# Altium PCB PCB.PcbDoc (part 2 of 3)
Units mil, origin at the board's own origin, x right, y up, seen from the top; angles counter-clockwise.
Board outline 2834.89 x 3149.61 mil, 4 copper layers (Top Layer, PWR, GND, Bottom Layer), stack 61.811 mil thick; 169 components, 190 nets, 857 pads, 254 vias.
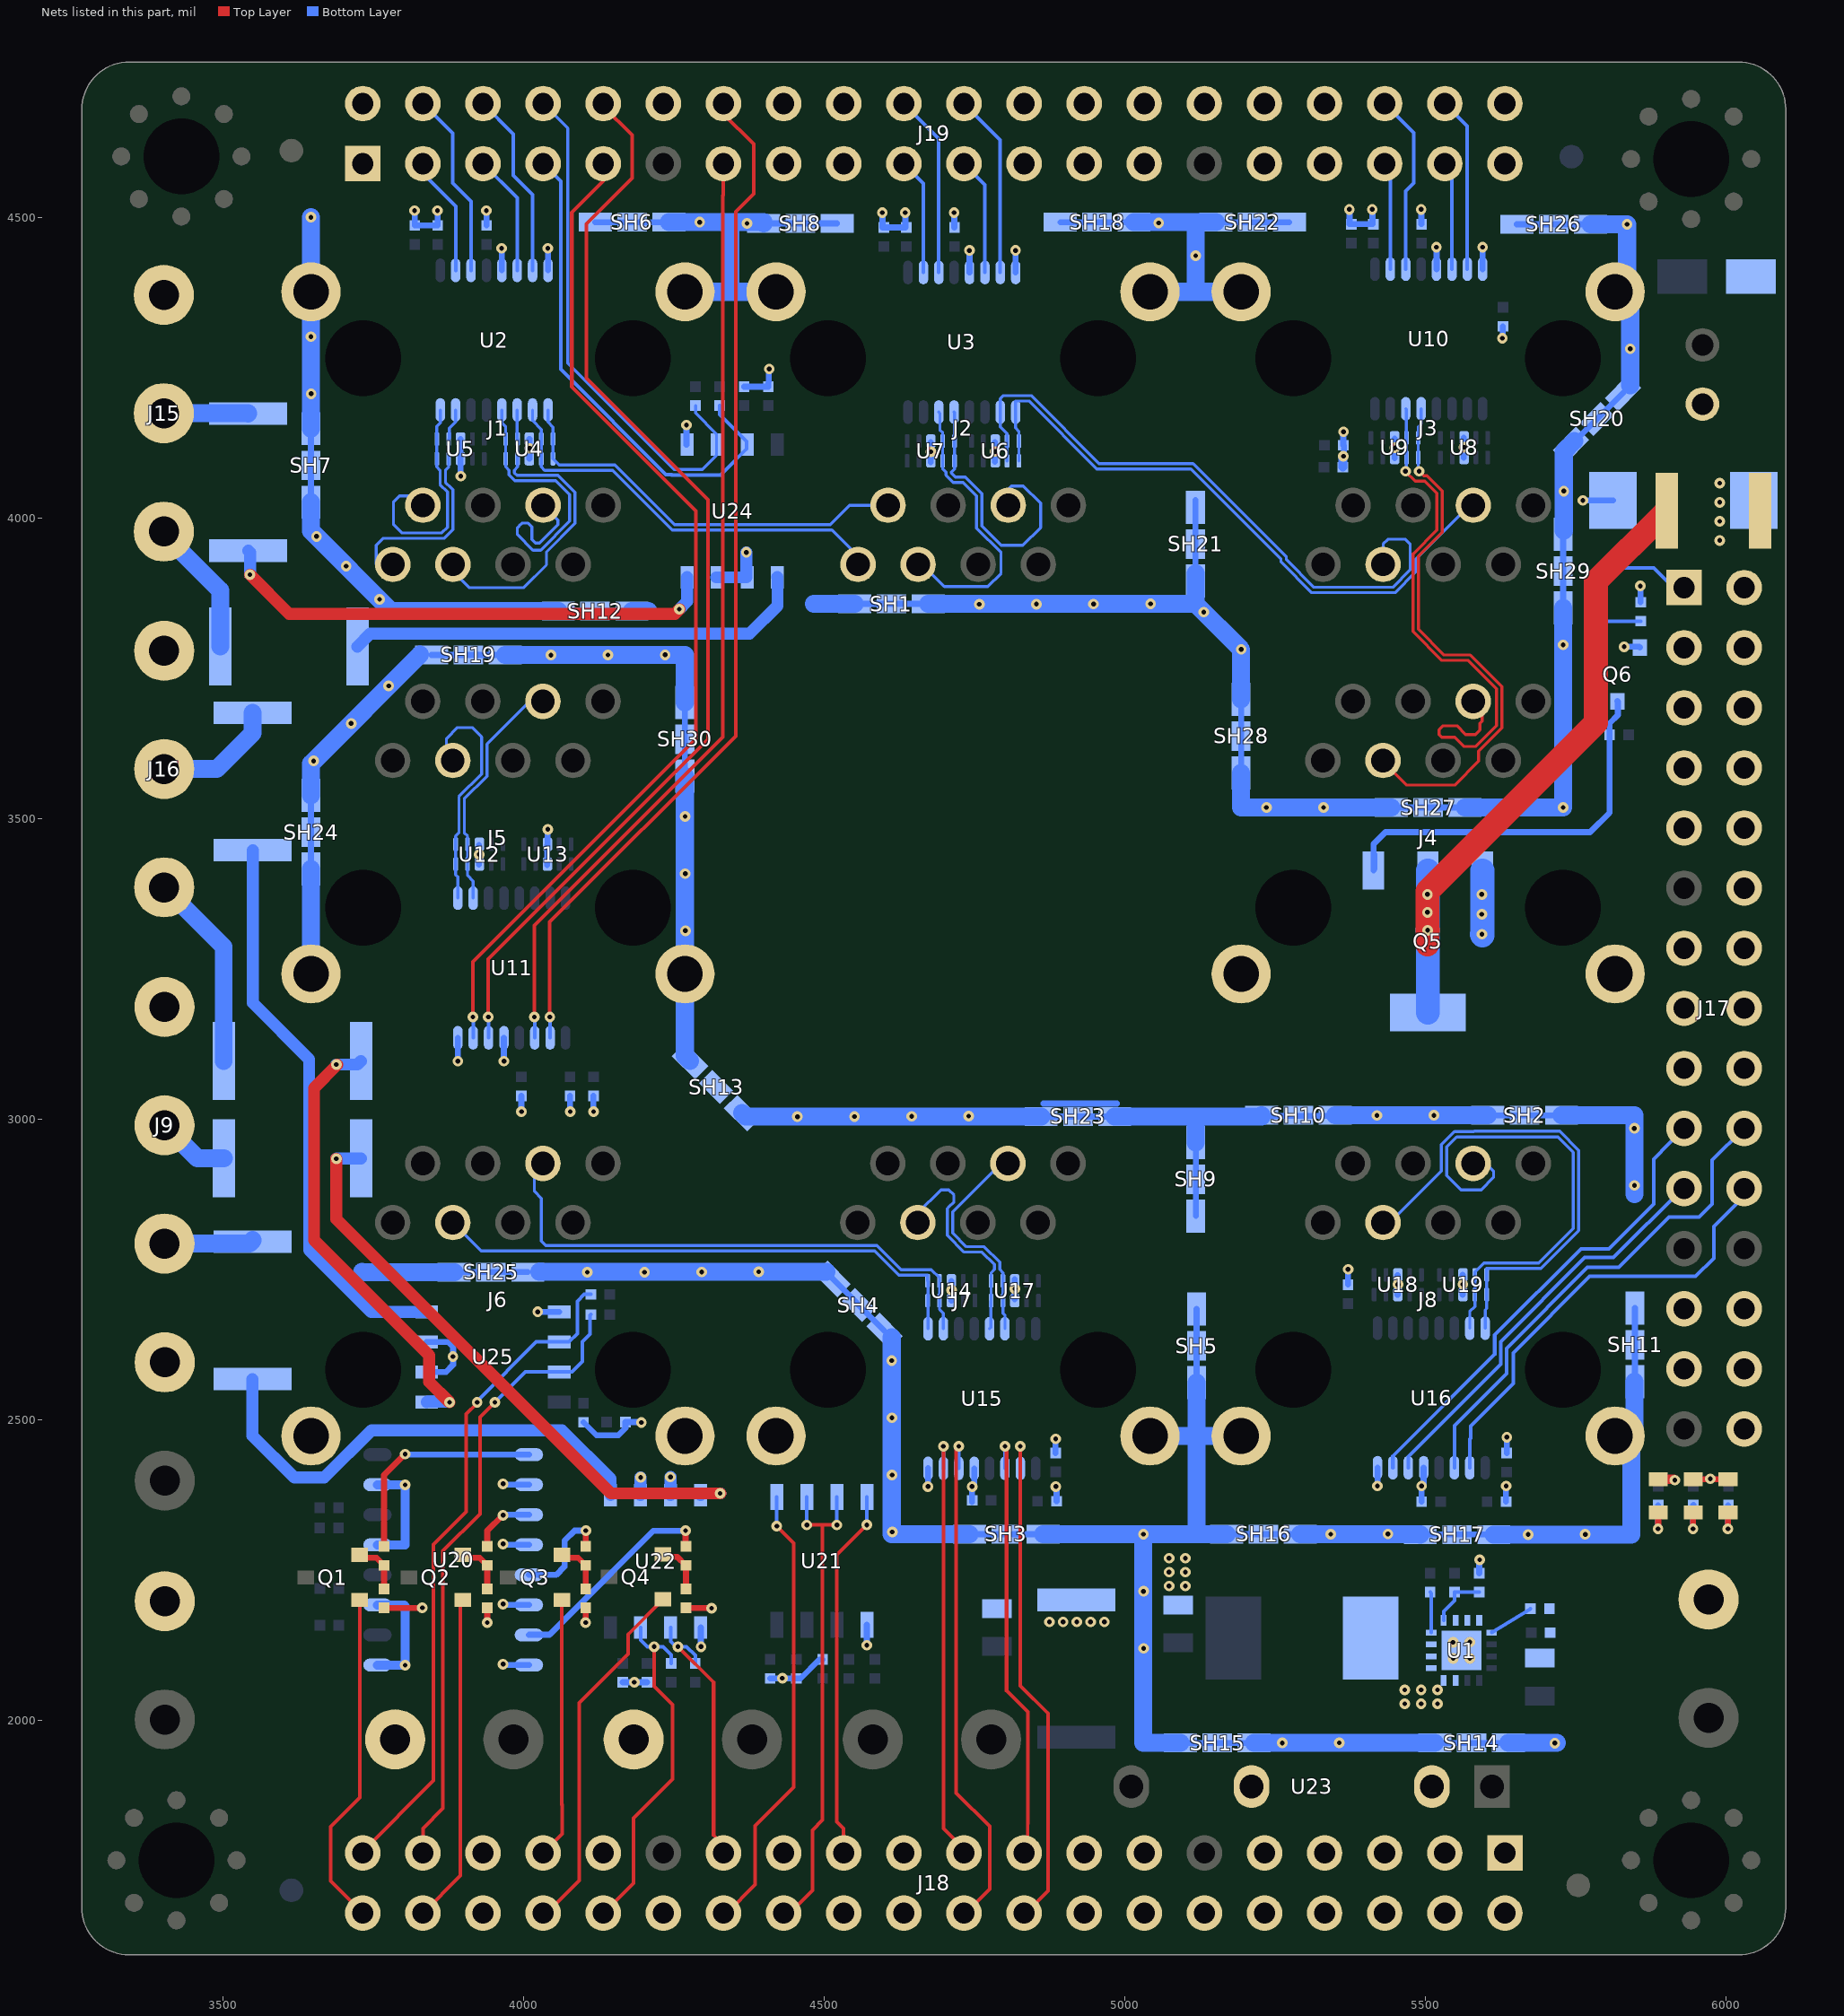
[diagram p4: the nets of this part, all layers, seen from the top]

## Via types
v1: diameter 17.72, hole 7.87, Top Layer to Bottom Layer, tented both sides, 254 vias

## Nets (pads, with @x,y where several pads share a name; then routed paths per layer and width w, separated by ;. In a path a pad name is that pad's centre, name@x,y a point inside that pad or via, vN(x,y) a via of type N, cw(c..) or ccw(c..) an arc to the next point about the centre after c; other vN are vias at no path point) (continued)
GND: C1.1 C2.1 C3.2 C4.2 C5.2 C6.1 C7.1 C8.1 C9.1 C10.1 C11.1 C12.1 C13.1 C14.1 C15.1 C16.1 C17.1 C18.1 C19.1 C20.1 C21.1 C22.1 C23.1 C24.1 C25.1 C26.1 C27.1 C28.1 C29.1 C30.1 C31.1 C33.1 C34.1 C35.1 C36.1 D1.1 D2.1 J1.SH1 J1.SH2 J2.SH1 J2.SH2 J3.SH1 J3.SH2 J4.SH1 J4.SH2 J5.SH1 J5.SH2 J6.SH1 J6.SH2 J7.SH1 J7.SH2 J8.SH1 J8.SH2 J17.12 J17.30 J18.12 J18.30 J19.12 J19.30 J20.2 Q5.3 Q6.2 R3.1 R7.1 R19.1 R20.1 R21.1 R22.1 R29.1 SH1.SH SH2.SH SH3.SH SH4.SH SH5.SH SH6.SH SH7.SH SH8.SH SH9.SH SH10.SH SH11.SH SH12.SH SH13.SH SH14.SH SH15.SH SH16.SH SH17.SH SH18.SH SH19.SH SH20.SH SH21.SH SH22.SH SH23.SH SH24.SH SH25.SH SH26.SH SH27.SH SH28.SH SH29.SH SH30.SH U1.6 U1.7 U1.8 U1.15 U1.16 U1.17 U2.5 U2.8 U3.5 U3.8 U4.3 U4.8 U5.3 U5.8 U6.3 U6.8 U7.3 U7.8 U8.3 U8.8 U9.3 U9.8 U10.5 U10.8 U11.5 U11.8 U12.3 U12.8 U13.3 U13.8 U14.3 U14.8 U15.5 U15.8 U16.5 U16.8 U17.3 U17.8 U18.3 U18.8 U19.3 U19.8 U20.2 U20.4 U20.6 U20.8 U21.5 U22.5 U23.2 U24.5 U25.5 | length 16021.7
  Top Layer w10: R19.1@3767.77,2187.46 3831.08,2187.46 v1(3831.4,2187.79) ; v1(3939.36,2162.84) 3939.5,2162.98 R20.1@3939.5,2187.46 ; v1@4103.27,2162.98 R21.1@4103.27,2187.46 ; R22.1@4270,2187.46 4312.14,2187.46 v1(4312.75,2186.86) ; D1.1@5945.44,2401.49 D2.1@6003.55,2401.49
  Bottom Layer w10: SH24.SH@3646.21,3416.75 SH24.SH@3646.21,3477.97 SH24.SH@3646.21,3539.19 ; SH7.SH@3646.21,4027.09 SH7.SH@3646.21,4088.31 SH7.SH@3646.21,4149.53 ; v1@3818.88,4512.01 C9.1@3818.88,4487.67 C8.1@3856.93,4487.67 v1@3856.93,4512.01 ; SH19.SH@3846.66,3773.03 SH19.SH@3907.88,3773.03 SH19.SH@3969.1,3773.03 ; SH25.SH@3884.49,2746.09 SH25.SH@3945.71,2746.09 SH25.SH@4006.93,2746.09 ; U11.8@3890.41,3136.05 3890.41,3097.2 v1(3890.49,3097.12) ; U5.8@3895.05,4132.28 U5.3@3895.05,4099.41 3895.05,4070.64 v1(3895.22,4070.46) ; U12.8@3925.72,3423.92 U12.3@3925.72,3456.79 ; v1(3937.99,4512.3) 3938.28,4512.01 C10.1@3938.28,4487.67 ; U2.5@3963.63,4412.87 v1@3963.63,4449.31 ; v1@3967.18,3097.2 U11.5@3967.18,3136.05 ; v1@3967.26,2092.39 U20.8@4008.73,2092.39 ; v1@3967.26,2192.39 U20.6@4008.73,2192.39 ; v1@3967.26,2292.39 U20.4@4008.73,2292.39 ; v1@3967.26,2392.39 U20.2@4008.73,2392.39 ; C18.1@3996.07,3039.39 3996.07,3013.46 v1(3996.37,3013.16) ; U4.3@4009.52,4099.41 U4.8@4009.52,4132.28 ; v1(4023.35,2680.04) 4023.5,2679.89 U25.5@4059.2,2679.89 ; U13.8@4039.07,3423.29 U13.3@4039.07,3456.17 ; U13.3@4039.6,3457.94 4039.6,3482.39 v1(4040.08,3482.88) ; v1(4040.23,4449.48) 4040.41,4449.31 U2.8@4040.41,4412.87 ; SH12.SH@4057.67,3846.04 SH12.SH@4118.89,3846.04 SH12.SH@4180.11,3846.04 ; v1@4077.21,3013.46 C19.1@4077.21,3039.39 ; C29.1@4099.47,2496.27 4121.17,2474.57 4157.39,2474.57 4169.41,2486.6 C28.1@4169.41,2496.54 4195.33,2496.54 v1(4195.83,2496.04) ; v1@4116.06,3013.46 C17.1@4116.06,3039.39 ; SH6.SH@4119.13,4493.03 SH6.SH@4180.35,4493.03 SH6.SH@4241.57,4493.03 ; C31.1@4164.97,2063.69 C30.1@4205.13,2063.69 ; SH30.SH@4268.26,3571.64 SH30.SH@4268.26,3632.87 SH30.SH@4268.26,3694.09 ; U24.5@4270.72,4122.56 v1(4270.69,4155.42) ; v1@4294.5,2125.76 4294.6,2125.87 U22.5@4294.6,2154.65 ; C26.1@4366.64,4219.37 C27.1@4407,4219.37 v1(4408.52,4248.68) ; SH8.SH@4399,4490.85 SH8.SH@4460.22,4490.85 SH8.SH@4521.44,4490.85 ; C33.1@4409.99,2070.14 C34.1@4453.63,2070.14 4460.7,2070.14 4492.2,2101.63 R29.1@4497.28,2101.63 ; SH4.SH@4510.93,2738.12 SH4.SH@4554.22,2694.83 ; SH1.SH@4550.47,3858.03 SH1.SH@4611.7,3858.03 SH1.SH@4672.92,3858.03 ; SH4.SH@4557.13,2691.27 SH4.SH@4600.42,2647.98 ; v1(4570.74,2125.23) 4570.92,2125.41 U21.5@4570.92,2159.29 ; v1@4596.96,4508.47 4596.96,4484.13 C11.1@4599.31,4484.13 4635.01,4484.13 v1@4635.01,4508.47 ; v1@4672.7,2390.19 U15.8@4672.7,2419.65 ; U7.3@4677.22,4093.82 U7.8@4677.22,4126.69 ; U14.8@4711.54,2698.63 U14.3@4711.54,2731.51 ; C12.1@4716.36,4484.13 v1@4716.36,4508.47 ; SH3.SH@4741.55,2310.06 SH3.SH@4802.77,2310.06 SH3.SH@4864,2310.06 ; U3.5@4741.72,4409.33 v1@4741.72,4445.77 ; C24.1@4746.11,2363.21 v1@4746.11,2386.56 ; v1@4749.52,2390.07 U15.5@4749.52,2419.6 ; U6.3@4784.14,4094.36 U6.8@4784.14,4127.23 ; U17.8@4816.59,2701.1 U17.3@4816.59,2733.97 ; U3.8@4818.49,4409.33 v1@4818.49,4445.77 ; SH23.SH@4860.85,3004.99 SH23.SH@4922.07,3004.99 SH23.SH@4983.29,3004.99 ; 4864.46,3026.65 4986.9,3026.65 ; C23.1@4884.86,2445.18 4884.86,2468.47 v1(4885,2468.62) ; v1@4885.29,2386.35 4886.44,2385.2 C25.1@4886.44,2364.93 ; SH18.SH@4892.84,4493.03 SH18.SH@4954.06,4493.03 SH18.SH@5015.28,4493.03 ; SH15.SH@5092.59,1962.8 SH15.SH@5153.81,1962.8 SH15.SH@5215.03,1962.8 ; SH21.SH@5117.81,3908.5 5117.81,3969.72 SH21.SH@5117.81,4030.94 ; SH9.SH@5118.12,2839.49 SH9.SH@5118.12,2900.71 SH9.SH@5118.12,2961.93 ; SH5.SH@5119.47,2562.15 SH5.SH@5119.47,2623.37 SH5.SH@5119.47,2684.59 ; SH22.SH@5151.36,4493.03 SH22.SH@5212.58,4493.03 SH22.SH@5273.8,4493.03 ; SH16.SH@5169.46,2310.06 SH16.SH@5230.68,2310.06 SH16.SH@5291.9,2310.06 ; SH28.SH@5193.64,3576.66 SH28.SH@5193.64,3637.88 SH28.SH@5193.64,3699.1 ; SH10.SH@5227.55,3005.98 SH10.SH@5349.99,3005.98 ; v1(5363.92,4144.2) 5363.59,4143.87 C35.1@5363.59,4121.88 5364.51,4120.96 v1@5364.51,4103.56 ; C36.1@5371.27,2725.21 5371.27,2750.6 v1(5371.51,2750.84) ; v1@5373.86,4514.06 5373.86,4489.72 C14.1@5376.98,4489.72 5411.92,4489.72 v1@5411.92,4514.06 ; v1(5420.28,2390.3) 5420.28,2391.04 5420.41,2391.17 U16.8@5420.41,2420.63 ; SH27.SH@5443.44,3519.04 SH27.SH@5504.66,3519.04 SH27.SH@5565.88,3519.04 ; U9.3@5448.92,4100.42 U9.8@5448.92,4133.3 ; U18.8@5453.96,2708.35 U18.3@5453.96,2741.22 ; SH17.SH@5491.51,2309.56 SH17.SH@5552.73,2309.56 SH17.SH@5613.95,2309.56 ; C16.1@5493.27,4489.72 v1@5493.27,4514.06 ; C22.1@5493.82,2364.18 5493.82,2387.53 5493.77,2387.58 5497.24,2391.04 U16.5@5497.18,2420.63 U16.5@5497.18,2420.63 ; SH14.SH@5515.72,1962.8 SH14.SH@5576.94,1962.8 SH14.SH@5638.16,1962.8 ; U10.5@5518.62,4414.92 v1@5518.62,4451.36 ; U19.8@5562,2708.58 U19.3@5562,2741.45 ; U8.3@5564.08,4101.2 U8.8@5564.08,4134.08 ; R3.1@5589.73,2245.22 5589.73,2266.61 v1(5590.57,2267.45) ; U10.8@5595.39,4414.92 v1@5595.39,4451.36 ; SH2.SH@5604.15,3006.97 SH2.SH@5665.37,3006.97 SH2.SH@5726.59,3006.97 ; v1(5628.15,4300) 5628.53,4300 v1@5629.07,4299.46 ; C7.1@5629.07,4319.74 v1@5629.07,4299.46 ; v1@5630.17,4298.36 v1@5629.07,4299.46 ; C21.1@5634.3,2364.18 v1@5634.3,2386.32 ; C20.1@5635.43,2444.93 5635.43,2471.34 v1(5635.56,2471.47) ; SH26.SH@5652.16,4489.61 SH26.SH@5713.38,4489.61 SH26.SH@5774.6,4489.61 ; SH29.SH@5729.29,3851.15 SH29.SH@5729.29,3912.37 SH29.SH@5729.29,3973.59 ; SH20.SH@5742.3,4122.34 SH20.SH@5785.59,4165.63 SH20.SH@5828.87,4208.92 ; v1(5762.19,4030.12) 5762.4,4029.92 C5.2@5812.27,4029.92 ; v1(5830.78,3786.66) 5855.95,3786.66 Q6.2@5857.02,3785.59 ; SH11.SH@5848.7,2563.94 SH11.SH@5848.7,2625.16 SH11.SH@5848.7,2686.38 ; v1(5857.49,3887.71) 5858.19,3887.01 R7.1@5858.19,3860.75 ; v1(4270.69,4155.42) v1(4270.69,4155.42)
  Bottom Layer w15: C6.1@5362.66,4085.41 v1@5362.66,4104.4
  Bottom Layer w30: J5.SH2@3646.21,3242.27 SH24.SH@3646.21,3416.75 ; SH24.SH@3646.21,3539.19 3646.21,3592.16 SH19.SH@3827.52,3773.47 ; SH7.SH@3646.21,4027.09 3646.21,3979.35 3779.52,3846.04 SH12.SH@4057.67,3846.04 ; SH7.SH@3646.21,4149.53 J1.SH1@3646.21,4377.19 v1(3646.21,4501.16) ; 3731.27,2746.75 3731.94,2746.09 SH25.SH@3884.49,2746.09 ; SH19.SH@3969.1,3772.68 4268.26,3772.68 SH30.SH@4268.26,3694.09 ; SH25.SH@4026.05,2746.62 SH4.SH@4503.66,2746.62 ; SH12.SH@4180.11,3846.04 SH12.SH@4207.21,3846.04 ; SH6.SH@4241.57,4493.03 4344.09,4493.03 ; SH30.SH@4268.26,3571.64 J5.SH1@4268.26,3242.27 4268.26,3106 SH13.SH@4277.02,3097.23 ; J1.SH2@4268.26,4377.19 J2.SH1@4419.92,4377.19 ; 4344.09,4381.54 4344.09,4493.03 ; SH13.SH@4363.6,3010.65 4369.27,3004.99 SH23.SH@4860.85,3004.99 ; SH8.SH@4399,4490.85 4399,4493.03 4344.09,4493.03 ; 4482.7,3858.03 SH1.SH@4550.47,3858.03 ; SH4.SH@4612.35,2637.93 4612.35,2310.06 SH3.SH@4741.55,2310.06 ; SH1.SH@4672.92,3858.03 5117.81,3858.03 ; SH3.SH@4864,2310.06 v1(5030.93,2310.06) ; SH23.SH@4983.29,3004.99 5118.12,3004.99 ; SH18.SH@5015.28,4493.03 5117.81,4493.03 ; J7.SH1@5041.97,2473.49 5119.47,2473.49 ; J2.SH2@5041.97,4377.19 J3.SH1@5193.64,4377.19 ; SH15.SH@5092.59,1962.8 5030.93,1962.8 v1(5030.93,2310.06) ; SH21.SH@5117.81,3908.5 5117.81,3858.03 ; 5117.81,4381.54 5117.81,4493.03 ; SH9.SH@5118.12,2961.93 5118.12,3004.99 ; SH5.SH@5119.47,2562.15 5119.47,2473.49 ; SH22.SH@5151.36,4493.03 5117.81,4493.03 ; SH16.SH@5169.46,2310.06 5119.47,2310.06 ; J8.SH2@5193.64,2473.49 5119.47,2473.49 ; SH28.SH@5193.64,3576.66 5193.64,3519.04 SH27.SH@5443.44,3519.04 ; SH28.SH@5193.64,3699.1 v1(5193.64,3782.2) 5117.81,3858.03 ; SH15.SH@5215.03,1962.8 SH14.SH@5515.72,1962.8 ; SH10.SH@5227.55,3006.97 5227.55,3005.98 5227.55,3004.99 5118.12,3004.99 ; SH16.SH@5291.9,2310.06 5491.51,2310.06 SH17.SH@5491.51,2309.56 ; SH10.SH@5349.99,3006.97 SH2.SH@5604.15,3006.97 ; SH27.SH@5565.88,3519.04 v1(5729.29,3519.04) SH29.SH@5729.29,3851.15 ; SH17.SH@5613.95,2309.56 5843,2309.56 5843,2446.18 J8.SH1@5815.68,2473.49 5847.7,2473.49 SH11.SH@5847.7,2563.94 ; SH14.SH@5638.16,1962.8 v1@5719.02,1962.8 ; SH2.SH@5726.59,3006.97 5847.7,3006.97 5847.7,2875.5 ; SH29.SH@5730.4,3979.92 5730.4,4111.28 SH20.SH@5748.01,4128.89 ; SH26.SH@5774.6,4489.61 v1(5835.6,4489.61) 5835.6,4397.11 J3.SH2@5815.68,4377.19 5840.87,4377.19 SH20.SH@5840.87,4221.75 ; v1(5030.93,2310.06) 5119.47,2310.06 ; 5119.47,2310.06 5119.47,2473.49
  Bottom Layer w40: v1@5594.79,3306.45 5594.79,3307.78 v1(5594.19,3308.38) 5594.79,3308.99 5594.79,3352.93 5594.79,3374.58 Q5.3@5594.79,3414.29
  other v1: 5715.48,1962.4 5261.89,1962.8 5356.92,1963.07 5465.76,2027.77 5492.94,2027.77 5520.13,2027.77 5465.76,2050.89 5492.94,2050.89 5520.13,2050.89 4183.96,2063.89 4430.34,2070.35 3965.79,2093.85 5573.95,2103.24 5546.54,2103.51 5031.46,2120.01 4295,2122.87 5546.14,2130.28 5573.85,2130.55 4103.13,2162.84 3965.79,2193.85 5031.19,2215.04 5073.75,2223.85 5100.94,2223.85 5073.75,2246.98 5100.94,2246.98 5073.75,2270.1 5100.94,2270.1 3965.79,2293.85 5342.74,2310.06 5437.76,2310.33 5670.99,2309.56 5766.02,2309.82 4613.15,2313.68 4672.57,2389.33 4746.06,2389.33 4885.29,2389.33 5493.77,2390.3 5634.33,2390.3 3965.79,2393.85 5974.06,2402.18 4612.89,2408.71 4612.62,2503.74 4612.35,2598.76 4711.96,2715.8 4817.01,2718.27 5454.38,2725.52 5562.42,2725.74 4106.01,2745.83 4201.03,2746.09 4296.06,2746.36 4391.09,2746.62 5847.97,2890.28 5847.7,2985.3 4455.35,3004.72 4550.38,3004.99 4645.4,3005.25 4740.43,3005.52 5419.43,3006.71 5514.45,3006.97 4077.52,3013.16 4116.36,3013.16 3967.26,3097.12 4269.05,3314.12 5593.96,3341.48 5593.96,3374.58 4268.79,3409.15 3926.14,3441.08 4268.52,3504.18 5235.71,3519.04 5330.73,3519.31 3650.63,3596.58 3713.03,3658.98 3775.42,3721.37 4045.28,3772.68 4140.31,3772.95 4235.34,3773.21 5729.29,3789.77 5131.52,3844.32 4757.95,3857.24 4852.97,3857.5 4948,3857.77 5043.03,3858.03 3760.18,3865.38 3704.71,3920.85 3655.38,3970.17 5730.4,4045.6 5363.75,4103.56 4677.64,4110.98 4784.56,4111.52 4009.94,4116.57 5449.35,4117.59 5564.51,4118.37 3646.47,4207.57 5840.87,4282.34 3646.21,4302.6 5117.81,4437.28 4741.54,4445.94 4818.31,4445.94 3963.46,4449.48 5518.45,4451.53 5595.22,4451.53 4371.44,4490.85 5056.45,4491.7 4292.83,4493.03 4596.67,4508.76 4634.73,4508.76 4716.08,4508.76 3818.59,4512.3 3856.64,4512.3 5373.58,4514.35 5411.63,4514.35 5492.98,4514.35
GPIO1_0N: J18.2
GPIO1_0P: J18.1
GPIO1_1N: J18.4
GPIO1_1P: J18.3
GPIO1_2N: J18.6
GPIO1_2P: J18.5
GPIO1_3N: J18.8
GPIO1_3P: J18.7
GPIO1_4N: J18.10
GPIO1_4P: J18.9
GPIO1_5N: J18.14
GPIO1_5P: J18.13
GPIO1_6N: J18.16
GPIO1_6P: J18.15
GPIO1_7N: J18.18 U15.2 | length 850.8
  Top Layer w6: v1(4826.25,2456.17) 4826.25,2058.09 4872.48,2011.86 4872.48,1716.45 4835.62,1679.59 J18.18@4832.37,1679.59
  Bottom Layer w6: U15.2@4826.24,2419.65 v1(4826.25,2456.17)
GPIO1_7P: J18.17 U15.3 | length 731.4
  Top Layer w4.96: J18.17@4832.37,1779.59 4838.59,1785.81 4838.59,1828.93
  Top Layer w6: v1(4800.66,2456.17) 4803.37,2453.46 4803.37,2049.81 4838.59,2014.6 4838.59,1828.93
  Bottom Layer w6: U15.3@4800.65,2419.65 v1@4800.65,2456.17
GPIO1_8N: J18.20 U15.6 | length 857.2
  Top Layer w6: v1(4723.88,2456.17) 4719.67,2451.96 4719.67,1879.56 4775.27,1823.96 4775.27,1719.85 4735.01,1679.59 J18.20@4732.37,1679.59
  Bottom Layer w6: U15.6@4723.88,2419.65 v1(4723.88,2456.17)
GPIO1_8P: J18.19 U15.7 | length 727.2
  Top Layer w6: v1(4698.29,2456.17) 4698.29,1820.22 4732.37,1786.14 J18.19@4732.37,1779.59
  Bottom Layer w6: U15.7@4698.29,2419.65 v1(4698.29,2456.17)
GPIO1_9N: J18.22
GPIO1_9P: J18.21
GPIO1_10N: J18.24
GPIO1_10P: J18.23 U21.4 | length 617.7
  Top Layer w6: J18.23@4532.37,1779.59 4532.37,1820.22 4521.02,1831.56 4521.02,2275.78 v1(4570.78,2325.54)
  Bottom Layer w6: v1(4570.78,2325.54) 4570.92,2325.68 U21.4@4570.92,2371.89
GPIO1_11N: J18.26 U21.2 U21.3 | length 845.3
  Top Layer w6: J18.26@4432.37,1679.59 4442.54,1679.59 4480.68,1717.73 4480.68,1817.67 4497.28,1834.27 4497.28,2325.44 v1(4521.11,2325.44) v1(4471.11,2325.44)
  Bottom Layer w6: U21.2@4470.92,2371.89 4470.92,2325.62 v1(4471.11,2325.44) ; v1@4520.92,2325.62 U21.3@4520.92,2371.89
GPIO1_11P: J18.25
GPIO1_12N: J18.28 U21.1 | length 755.9
  Top Layer w6: J18.28@4332.37,1679.59 4337.94,1679.59 4385.13,1726.78 4385.13,1825.04 4449.52,1889.43 4449.52,2295.02 v1(4421.09,2323.45)
  Bottom Layer w6: U21.1@4420.92,2371.89 4420.92,2323.62 v1(4421.09,2323.45)
GPIO1_12P: J18.27 R24.1 U22.6 | length 461.1
  Top Layer w6: v1(4256.74,2122.87) 4315.97,2063.64 4315.97,1809.28 4332.37,1792.88 J18.27@4332.37,1779.59
  Bottom Layer w6: U22.6@4244.6,2154.65 4244.6,2131.79 4253.53,2122.87 v1(4256.74,2122.87) 4270.83,2122.87 4285.43,2108.27 R24.1@4285.43,2095.19
GPIO1_13N: J18.32 R23.1 U22.7 | length 599.8
  Top Layer w6: J18.32@4132.37,1679.59 4133,1679.59 4182.59,1729.18 4182.59,1837.27 4247.86,1902.54 4247.86,2026.12 4217.23,2056.74 v1(4217.23,2122.87)
  Bottom Layer w6: U22.7@4194.6,2154.65 4194.6,2134.18 4205.91,2122.87 v1(4217.23,2122.87) 4231.72,2122.87 4245.28,2109.32 R23.1@4245.28,2095.19
GPIO1_13P: J18.31
GPIO1_14N: J18.34 Q4.1 | length 608
  Top Layer w6: J18.34@4032.37,1679.59 4037.93,1679.59 4092.15,1733.81 4092.15,2029.38 4173.46,2110.69 4173.46,2143.22 Q4.1@4231.94,2201.7
GPIO1_14P: J18.33 Q3.1 | length 434.3
  Top Layer w6: J18.33@4032.37,1779.59 4063.98,1811.21 4063.98,1859.67 4063.67,1859.98 Q3.1@4063.67,2200.67
GPIO1_15N: J18.36
GPIO1_15P: J18.35
GPIO1_16N: J18.38 Q2.1 | length 548.5
  Top Layer w6: J18.38@3832.37,1679.59 3894.84,1742.06 3894.84,2196.97 Q2.1@3898.54,2200.67
GPIO1_16P: J18.37 R33.1 U25.7 | length 1057.1
  Top Layer w6: J18.37@3832.37,1779.59 3832.37,1820.57 3865.78,1853.98 3865.78,2282.44 3927.3,2343.96 3927.3,2504.67 v1(3952.18,2529.55)
  Bottom Layer w6: v1(3952.18,2529.55) 4002.53,2579.89 U25.7@4059.2,2579.89 4080.18,2579.89 4097.76,2597.47 4097.76,2630.09 4110.66,2642.98 4110.66,2674.28 R33.1@4111.85,2675.47
GPIO1_17N: J18.40 Q1.1 | length 563.5
  Top Layer w6: Q1.1@3727.3,2200.67 3727.3,1871.83 3678.65,1823.18 3678.65,1733.31 J18.40@3732.37,1679.59
GPIO1_17P: J18.39 R34.1 U25.6 | length 1124.8
  Top Layer w6: J18.39@3732.37,1779.59 3732.37,1782.68 3850.05,1900.36 3850.05,2292.76 3904.43,2347.14 3904.43,2510.06 3922.72,2528.35 v1@3922.72,2531.52
  Bottom Layer w6: v1@3922.72,2531.52 4021.1,2629.89 4075.3,2629.89 4089.08,2643.68 4089.08,2697.18 4100.93,2709.03 R34.1@4111.85,2709.03
  other v1: 3922.72,2529.55
GPIO2_0N: J19.2
GPIO2_0P: J19.1
GPIO2_1N: J19.4 U2.3 | length 310.6
  Bottom Layer w6: J19.4@3832.32,4690.31 3881.6,4641.04 3881.6,4558.35 3912.45,4527.49 U2.3@3912.45,4412.87
GPIO2_1P: J19.3 U2.2 | length 200
  Bottom Layer w6: J19.3@3832.32,4590.31 3832.32,4573.69 3886.86,4519.15 U2.2@3886.86,4412.87
GPIO2_2N: J19.6 U2.7 | length 311.6
  Bottom Layer w6: J19.6@3932.32,4690.31 3982.99,4639.65 3982.99,4570.92 4014.81,4539.09 U2.7@4014.81,4412.87
GPIO2_2P: J19.5 U2.6 | length 201
  Bottom Layer w6: J19.5@3932.32,4590.31 3989.22,4533.41 U2.6@3989.22,4412.87
GPIO2_3N: J19.8 R31.1 U24.6 | length 882.2
  Bottom Layer w4.96: J19.8@4028.29,4694.35 4073.31,4649.33 4073.31,4258.42 4250.17,4081.55 4297.19,4081.55 4320.72,4105.09 4320.72,4122.56 4320.72,4140.49 4285.91,4175.3 R31.1@4285.91,4187.87
GPIO2_3P: J19.7 R30.1 U24.7 | length 851.2
  Bottom Layer w6: J19.7@4027.51,4595.13 4061.56,4561.08 4061.56,4248.34 4236.74,4073.16 4245.87,4073.16 4246.45,4072.57 4327.39,4072.57 4370.72,4115.91 4370.72,4122.56 4370.72,4128.4 4326.28,4172.85 R30.1@4326.28,4187.87
GPIO2_4N: J19.10 U11.6 | length 1840.2
  Top Layer w6: v1(3941.12,3170.58) 3941.12,3267.01 4306.8,3632.69 4306.8,4031.41 4104.67,4233.55 4104.67,4490.46 4180.35,4566.15 4180.35,4637.95 4132.32,4685.98 J19.10@4132.32,4690.31
  Bottom Layer w6: U11.6@3941.59,3136.05 v1@3941.59,3170.11
GPIO2_4P: J19.9 U11.7 | length 1714.7
  Top Layer w6: v1(3915.53,3170.58) 3915.53,3262.4 4286.67,3633.54 4286.67,4012.46 4080.1,4219.03 4080.1,4509.02 4132.32,4561.24 J19.9@4132.32,4590.31
  Bottom Layer w6: U11.7@3916,3136.05 v1@3916,3170.11
GPIO2_5N: J19.14 U11.2 | length 1715.8
  Top Layer w6: v1(4043.49,3170.58) 4043.49,3328.64 4352.86,3638.01 4352.86,4510.44 4382.64,4540.23 4382.64,4623.01 4332.32,4673.33 J19.14@4332.32,4690.31
  Bottom Layer w6: v1(4043.49,3170.58) 4043.95,3170.11 U11.2@4043.95,3136.05
GPIO2_5P: J19.13 U11.3 | length 1584
  Top Layer w6: v1(4017.9,3170.58) 4017.9,3322.62 4331.37,3636.1 4331.37,4537.12 4332.32,4538.07 J19.13@4332.32,4590.31
  Bottom Layer w6: U11.3@4018.36,3136.05 v1@4018.36,3170.11
GPIO2_6N: J19.16
GPIO2_6P: J19.15
GPIO2_7N: J19.18
GPIO2_7P: J19.17
GPIO2_8N: J19.20 U3.3 | length 305.1
  Bottom Layer w6: J19.20@4632.32,4690.31 4690.53,4632.1 U3.3@4690.53,4409.33
GPIO2_8P: J19.19 U3.2 | length 194.5
  Bottom Layer w6: J19.19@4632.32,4590.31 4664.94,4557.69 U3.2@4664.94,4409.33
GPIO2_9N: J19.22 U3.7 | length 306.1
  Bottom Layer w6: J19.22@4732.32,4690.31 4792.9,4629.74 U3.7@4792.9,4409.33
GPIO2_9P: J19.21 U3.6 | length 195.5
  Bottom Layer w6: J19.21@4732.32,4590.31 4767.31,4555.33 U3.6@4767.31,4409.33
GPIO2_10N: J19.24
GPIO2_10P: J19.23
GPIO2_11N: J19.26
GPIO2_11P: J19.25
GPIO2_12N: J19.28
GPIO2_12P: J19.27
GPIO2_13N: J19.32
GPIO2_13P: J19.31
GPIO2_14N: J19.34
GPIO2_14P: J19.33
GPIO2_15N: J19.36 U10.3 | length 301.1
  Bottom Layer w6: J19.36@5432.32,4690.31 5480.87,4641.77 5480.87,4557.91 5467.44,4544.49 U10.3@5467.44,4414.92
GPIO2_15P: J19.35 U10.2 | length 179.3
  Bottom Layer w6: J19.35@5432.32,4590.31 5441.85,4580.79 U10.2@5441.85,4414.92
GPIO2_16N: J19.38 U10.7 | length 291
  Bottom Layer w6: J19.38@5532.32,4690.31 5569.85,4652.79 5569.85,4414.96 U10.7@5569.8,4414.92
GPIO2_16P: J19.37 U10.6 | length 180.3
  Bottom Layer w6: J19.37@5532.32,4590.31 5544.21,4578.42 U10.6@5544.21,4414.92
GPIO2_17N: J19.40
GPIO2_17P: J19.39
GPIO3_0N: J17.2
GPIO3_0P: J17.1 R6.1 | length 205
  Bottom Layer w6: R6.1@5781.38,3861.27 5781.38,3893.39 5806.08,3918.09 5879.97,3918.09 5913.08,3884.98 J17.1@5930.35,3884.98
GPIO3_1N: J17.4
GPIO3_1P: J17.3
GPIO3_2N: J17.6
GPIO3_2P: J17.5
GPIO3_3N: J17.8
GPIO3_3P: J17.7
GPIO3_4N: J17.10
GPIO3_4P: J17.9
GPIO3_5N: J17.14
GPIO3_5P: J17.13
GPIO3_6N: J17.16
GPIO3_6P: J17.15
GPIO3_7N: J17.18
GPIO3_7P: J17.17
GPIO3_8N: J17.20 U16.3 | length 824.3
  Bottom Layer w6: U16.3@5548.36,2420.63 5548.36,2490.75 5634.89,2577.28 5634.89,2619.38 5769.81,2754.29 5821.73,2754.29 5905.14,2837.71 5955.64,2837.71 5977.19,2859.26 5977.19,2932.37 6029.81,2984.98 J17.20@6030.35,2984.98
GPIO3_8P: J17.19 U16.7 | length 792.1
  Bottom Layer w6: U16.7@5446,2420.63 5446,2440.23 5615.42,2609.64 5615.42,2634.53 5615.42,2641.11 5758.91,2784.61 5805.22,2784.61 5879.68,2859.07 5879.68,2934.31 5905.18,2959.81 J17.19@5930.35,2984.98
GPIO3_9N: J17.22 U16.2 | length 756.6
  Bottom Layer w6: U16.2@5573.95,2420.63 5573.95,2468.57 5575.46,2470.07 5575.46,2490.01 5646.22,2560.78 5646.22,2611.62 5773.64,2739.04 5949.78,2739.04 5980.15,2769.4 5980.15,2821.81 6030.35,2872.02 J17.22@6030.35,2884.98
GPIO3_9P: J17.21 U16.6 | length 684
  Bottom Layer w6: U16.6@5471.59,2420.63 5471.59,2438.93 5625.39,2592.73 5625.39,2630.59 5765.02,2770.22 5812.83,2770.22 5927.59,2884.98 J17.21@5930.35,2884.98
ISOGND1: J9.1 U22.2 U22.3 | length 59.7
  Bottom Layer w20: U22.2@4194.6,2375.12 4194.6,2404.46 v1(4194.73,2404.59) ; v1(4244.21,2405.12) 4244.6,2404.72 U22.3@4244.6,2375.12
ISOGND2: J16.1 U25.2 U25.3 | length 126
  Bottom Layer w10: U25.2@3838.73,2579.89 3870.65,2579.89 3882.65,2591.89 3882.65,2621.62 3874.37,2629.89 U25.3@3838.73,2629.89
  other v1: 3882.42,2605.72
ISOGND3: J15.1 U24.2 U24.3 | length 91.6
  Bottom Layer w20: U24.3@4320.72,3902.08 4370.72,3902.08 4370.72,3943.32 v1(4370.44,3943.6)
ISOGND10: C32.1 D3.1 J10.1 J11.1 J12.1 J13.1 R36.1 U20.9 U20.11 U20.13 U20.15 U23.5 | length 411.5
  Top Layer w15: D3.1@5887.34,2401.49 5913.51,2401.49 v1(5915,2400)
  Bottom Layer w15: U20.9@3756.76,2092.39 v1@3802.69,2092.39 ; U20.11@3756.76,2192.39 3801.2,2192.39 3802.91,2190.67 v1(3802.91,2092.17) ; U20.13@3756.76,2292.39 3802.54,2292.39 3802.91,2292.76 v1(3802.91,2392.17) 3802.69,2392.39 U20.15@3756.76,2392.39
  other v1: 4874.52,2164.03 4897.39,2164.03 4920.26,2164.03 4943.13,2164.03 4966,2164.03
MIO10: J17.25
MIO11: J17.26
MIO12: J17.27
MIO13: J17.28
NetC4_1: C4.1 U1.9 | length 76.7
  Bottom Layer w6: U1.9@5610.28,2147.05 U1.9@5610.28,2146.25 C4.1@5674.93,2185.94
NetC5_1: C5.1 D4.2 J21.1 R5.2
  other v1: 5989.88,3963.54 5989.88,3995.25 5989.88,4026.96 5989.88,4058.67
NetD1_2: D1.2 R8.2 | length 67.4
  Top Layer w10: v1(5945.31,2318.89) 5945.44,2319.03 D1.2@5945.44,2346.37
  Bottom Layer w10: v1(5945.31,2318.89) 5945.31,2357.92 R8.2@5945.9,2358.52
NetD2_2: D2.2 R9.2 | length 66.4
  Top Layer w10: v1@6003.55,2319.03 D2.2@6003.55,2346.37
  Bottom Layer w10: v1(6003.41,2318.89) R9.2@6003.41,2357.92
NetD3_2: D3.2 R10.2 | length 66.4
  Top Layer w10: v1@5887.34,2319.03 D3.2@5887.34,2346.37
  Bottom Layer w10: v1(5887.2,2318.89) R10.2@5887.2,2357.92
NetJ9_2: J9.2 R28.1 | length 121.4
  Bottom Layer w30: J9.2@3402.44,2990.4 3457.52,2935.33 R28.1@3501.03,2935.33
NetJ9_3: J9.3 R25.1 | length 149.2
  Bottom Layer w30: J9.3@3402.44,2793.55 3543.45,2793.55 R25.1@3549.26,2799.36
NetJ15_2: J15.2 R37.1 | length 140.5
  Bottom Layer w30: J15.2@3401.34,4175.09 3541.46,4175.09 R37.1@3541.72,4174.83
NetJ15_3: J15.3 R32.1 | length 230.1
  Bottom Layer w30: J15.3@3401.34,3978.24 3401.34,3974.1 3495.06,3880.38 R32.1@3495.06,3787
NetJ16_2: J16.2 R38.1 | length 205.5
  Bottom Layer w30: J16.2@3402.01,3583.13 3489.39,3583.13 3549.26,3643 R38.1@3549.26,3676.49
NetJ16_3: J16.3 R35.1 | length 329.9
  Bottom Layer w29: J16.3@3402.01,3386.28 3501.03,3287.27 R35.1@3501.03,3097.39
NetL1_1: L1.1 U1.1 U1.2 U1.3
NetQ1_2: Q1.2 R15.1 R19.2 | length 89.6
  Top Layer w10: Q1.2@3727.3,2275.47 3727.3,2270.87 3755.13,2270.87 R15.1@3767.77,2258.24 R19.2@3767.77,2218.96
NetQ2_2: Q2.2 R16.1 R20.2 | length 90.1
  Top Layer w10: Q2.2@3898.54,2275.47 3898.54,2270.87 3926.86,2270.87 R16.1@3939.5,2258.24 R20.2@3939.5,2218.96
NetQ3_2: Q3.2 R17.1 R21.2 | length 88.7
  Top Layer w10: Q3.2@4063.67,2275.47 4063.67,2270.88 4090.63,2270.88 R17.1@4103.27,2258.24 R21.2@4103.27,2218.96
NetQ4_2: Q4.2 R18.1 R22.2 | length 84.9
  Top Layer w10: Q4.2@4231.94,2276.5 4235.88,2272.56 4255.31,2272.56 4269.64,2258.24 R18.1@4270,2258.24 R22.2@4270,2218.96
NetQ5_1: Q5.1 Q6.3 R4.1 | length 677.7
  Bottom Layer w8: Q5.1@5413.69,3414.29 5416.57,3417.17 Q5.1@5416.57,3441
  Bottom Layer w10: Q5.1@5413.69,3414.29 5413.69,3457.91 5433.83,3478.05 5774.07,3478.05 5806.47,3510.45 R4.1@5806.47,3640.24 5806.47,3659.2 5820.31,3673.04 5820.31,3695.33 Q6.3@5819.61,3696.02
NetQ5_2: Q5.2 Q5.4 R5.1 | length 1114.8
  Top Layer w40: 5503.41,3291.35 5503.41,3314.42 v1(5503.91,3314.92) 5503.41,3315.41 5503.41,3352.93 v1(5503.41,3374.58) v1@5503.41,3376.4 ; v1@5503.41,3379.4 5783.9,3659.89 5783.9,3895.11 R5.1@5897.71,4008.92
  Bottom Layer w40: Q5.4@5504.24,3178.07 5504.24,3314.58 v1(5503.91,3314.92) 5504.24,3315.25 5504.24,3352.93 5504.24,3374.58 Q5.2@5504.24,3414.29
  other v1: 5503.41,3344.75
NetQ6_1: Q6.1 R6.2 R7.2 | length 120.1
  Bottom Layer w6: Q6.1@5782.21,3785.59 5782.21,3828.94 5781.89,3829.26 R7.2@5858.19,3829.26
NetR1_1: R1.1 R3.2 U1.5 | length 95.3
  Bottom Layer w6: U1.5@5530.55,2166.92 5530.55,2181.32 5548.85,2199.62 R1.1@5548.85,2213.72 R3.2@5589.73,2213.72
NetR2_1: R2.1 U1.4 | length 68.3
  Bottom Layer w6: R2.1@5507.98,2213.72 5509.89,2211.81 U1.4@5509.89,2146.25
NetR15_2: R15.2 U20.1 | length 375.9
  Top Layer w10: R15.2@3767.77,2289.73 3767.77,2408.68 3800.35,2441.26 v1@3800.35,2443.35
  Bottom Layer w10: v1@3800.35,2443.35 3801.32,2442.39 U20.1@4008.73,2442.39
  other v1: 3802.91,2443.35
NetR16_2: R16.2 U20.3 | length 105.4
  Top Layer w10: R16.2@3939.5,2289.73 3939.5,2316 v1@3965.13,2341.63
  Bottom Layer w10: v1@3965.88,2342.39 U20.3@4008.73,2342.39
  other v1: 3965.79,2341.63
NetR17_2: R17.2 U20.5 | length 176.7
  Top Layer w10: R17.2@4103.27,2289.73 4103.27,2315.95 v1(4103.36,2316.04)
  Bottom Layer w10: U20.5@4008.73,2242.39 4054.14,2242.39 4068.04,2256.28 4068.04,2299.26 4084.82,2316.04 v1(4103.36,2316.04)
NetR18_2: R18.2 U20.7 | length 358.9
  Top Layer w10: v1(4269.43,2315.85) 4269.43,2290.3 R18.2@4270,2289.73
  Bottom Layer w10: U20.7@4008.73,2142.39 4009.3,2142.96 4043,2142.96 4077.45,2177.41 4215.89,2315.85 v1(4269.43,2315.85)
NetR25_2: R25.2 U22.1 | length 811.9
  Bottom Layer w20: R25.2@3548.84,2568.18 3548.84,2473.83 3618.4,2404.27 3668.11,2404.27 3746.78,2482.94 4063.7,2482.94 4144.6,2402.03 U22.1@4144.6,2375.12
NetR28_2: R28.2 U22.4 | length 1002.5
  Top Layer w20: v1(3688.41,2934.8) 3688.41,2834.58 4145.06,2377.93 v1(4326.92,2377.93)
  Bottom Layer w20: v1(3688.41,2934.8) 3688.93,2935.33 R28.2@3729.37,2935.33 ; U22.4@4294.6,2375.12 4297.41,2377.93 v1(4326.92,2377.93)
NetR32_2: R32.2 U24.1 | length 774.7
  Bottom Layer w20: R32.2@3723.41,3787 3744.65,3808.25 4260,3808.25 4375.8,3808.25 4422.4,3854.85 4422.4,3901.9 U24.1@4422.04,3902.26
NetR35_2: R35.2 U25.1 | length 749.6
  Top Layer w20: v1@3689.62,3090.92 3651.29,3052.59 3651.29,2799.4 3842.92,2607.77 3842.92,2563.33 v1(3876.71,2529.55)
  Bottom Layer w20: v1(3688.41,3091.5) 3723.49,3091.5 R35.2@3729.37,3097.39 ; U25.1@3838.73,2529.89 3839.56,2530.72 v1@3874.01,2530.72
NetR37_2: R37.2 U24.4 | length 844.2
  Top Layer w20: v1(3544.69,3906.47) 3609.64,3841.52 3770.06,3841.52 4251.5,3841.52 v1(4259.02,3849.03)
  Bottom Layer w20: R37.2@3541.72,3946.48 3544.69,3943.52 v1(3544.69,3906.47) ; v1(4259.02,3849.03) 4272.04,3862.06 U24.4@4272.04,3902.26
NetR38_2: R38.2 U25.4 | length 942.5
  Bottom Layer w20: R38.2@3549.26,3448.15 3549.26,3193.93 3643.12,3100.06 3643.12,2782.82 3746.04,2679.89 U25.4@3838.73,2679.89
SCLK1_N: J1.6 U2.12 U4.5 U4.6 | length 553.5
  Bottom Layer w4.96: U2.12@3963.63,4180.58 3963.63,4159.19 3970.15,4152.68 U4.6@3970.15,4132.28 U4.5@3970.15,4099.41 3970.15,4085.81 3975.51,4080.44 3975.51,4072.27 3985.06,4062.72 4053.58,4062.72 4076.49,4039.8 4076.49,3995.42 4028.25,3947.18 4015.47,3947.18 3989.44,3973.21 3989.44,3984.61 3992.65,3987.83 3992.65,3988.04 3996.93,3992.32 4007.4,3992.32 4013.74,3985.98 4013.74,3965.04 4019.7,3959.09 4026.51,3959.09 4057.06,3989.64 4057.06,3997.44 J1.6@4032.43,4022.07
SCLK1_P: J1.3 U2.11 U4.4 U4.7 | length 556
  Bottom Layer w4.96: J1.3@3882.43,3923.64 3882.43,3911.65 3909.05,3885.03 4000.1,3885.03 4037.94,3922.87 4037.94,3944.2 4085.45,3991.7 4085.45,4043.51 4057.29,4071.68 3988.77,4071.68 3984.47,4075.98 3984.47,4080.44 3989.83,4085.81 U4.4@3989.83,4099.41 U4.7@3989.83,4132.28 3989.22,4132.89 U2.11@3989.22,4180.58
SCLK2_N: J2.6 U3.13 U7.1 U7.10 | length 480.4
  Bottom Layer w4.96: U3.13@4716.12,4177.05 4716.77,4176.4 U7.10@4716.77,4128.74 U7.1@4716.77,4095.87 4716.77,4082.27 4711.41,4076.91 4711.41,4075.94 4718.48,4068.86 4734.71,4068.86 4762.44,4041.13 4762.44,3987.57 4794.44,3955.57 4830.55,3955.57 4859.9,3984.92 4859.9,4025.38 4831.35,4053.94 4811.32,4053.94 4806.14,4048.77 J2.6@4806.14,4022.07
SCLK2_P: J2.3 U3.14 U7.2 U7.9 | length 483.1
  Bottom Layer w4.96: J2.3@4656.14,3923.64 4662.77,3923.64 4699.86,3886.56 4771.85,3886.56 4794.06,3908.77 4794.06,3943.28 4753.48,3983.86 4753.48,4037.42 4731,4059.9 4714.77,4059.9 4702.45,4072.23 4702.45,4076.91 4697.09,4082.27 U7.2@4697.09,4095.87 U7.9@4697.09,4128.74 4697.09,4142.61 4692.49,4147.2 4692.49,4175.09 U3.14@4690.53,4177.05
SCLK3_N: J3.6 U3.9 U6.1 U6.10 | length 1070.5
  Bottom Layer w4.96: U6.1@4823.81,4095.87 U6.10@4823.81,4128.74 4823.81,4145.39 4818.49,4150.71 U3.9@4818.49,4177.05 4818.49,4195.49 4840.49,4195.49 4953.58,4082.4 5109.84,4082.4 5259.89,3932.35 5259.89,3927.83 5311.06,3876.66 5449.73,3876.66 5483.58,3910.52 5483.58,3931.68 5573.98,4022.07 J3.6@5579.86,4022.07
SCLK3_P: J3.3 U3.10 U6.2 U6.9 | length 1067.2
  Bottom Layer w4.96: U6.2@4804.12,4095.87 U6.9@4804.12,4128.74 4804.12,4141.34 4792.9,4152.56 U3.10@4792.9,4177.05 4792.9,4199.21 4798.13,4204.45 4844.2,4204.45 4957.3,4091.36 5113.56,4091.36 5268.85,3936.06 5268.85,3931.54 5314.77,3885.62 5446.02,3885.62 5474.62,3914.23 5474.62,3952.7 5474.73,3952.8 5474.73,3957.92 5467.26,3965.39 5437.88,3965.39 5429.86,3957.37 J3.3@5429.86,3923.64
SCLK4_N: J4.6 U9.1 U9.10 U10.13 | length 917.2
  Top Layer w4.96: J4.6@5429.46,3597.39 5429.46,3595.8 5468.79,3556.47 5548.97,3556.47 5588.65,3596.16 5588.65,3613.04 5627.48,3651.86 5627.48,3720.22 5574.87,3772.83 5531.14,3772.83 5488.44,3815.54 5488.44,3937.34 5528.04,3976.95 5528.04,4045.64 5502.55,4071.14 5497.19,4071.14 v1(5489.81,4078.52)
  Bottom Layer w4.96: v1(5489.81,4078.52) 5488.3,4080.03 U9.1@5488.3,4101.46 U9.10@5488.3,4134.33 5488.3,4152.6 5493.03,4157.34 U10.13@5493.03,4182.63
SCLK4_P: J4.3 U9.2 U9.9 U10.14 | length 919.9
  Top Layer w4.96: v1(5467.1,4078.52) 5467.1,4078.13 5483.04,4062.18 5498.83,4062.18 5519.08,4041.93 5519.08,3980.66 5480,3941.58 5479.48,3941.05 5479.48,3811.83 5480,3811.3 5527.43,3763.87 5571.16,3763.87 5618.52,3716.51 5618.52,3655.58 5583.55,3620.61 5564.69,3620.61 5549.22,3636.08 5527.09,3636.08 5522.87,3640.29 5522.87,3648.34 5529.64,3655.1 5552.55,3655.1 5566.99,3640.67 5583.11,3640.67 5590.66,3648.22 5590.66,3659.02 5594.41,3662.76 5594.41,3680.87 J4.3@5579.46,3695.81
  Bottom Layer w4.96: v1(5467.1,4078.52) 5468.61,4080.03 U9.2@5468.61,4101.46 U9.9@5468.61,4134.33 5468.61,4181.47 U10.14@5467.44,4182.63
SCLK5_N: J5.6 U11.9 U12.1 U12.10 | length 400.7
  Bottom Layer w4.96: J5.6@3882.04,3597.39 3871.54,3607.88 3871.54,3633.92 3889.79,3652.17 3914.19,3652.17 3929.98,3636.38 3929.98,3574.89 3892.32,3537.23 3892.32,3476.9 3886.96,3471.54 U12.1@3886.96,3457.94 U12.10@3886.96,3425.06 3886.96,3407.17 3890.41,3403.71 U11.9@3890.41,3368.33
SCLK5_P: J5.3 U11.10 U12.2 U12.9 | length 400.5
  Bottom Layer w4.96: U11.10@3916,3368.33 3916,3396.69 3906.64,3406.05 U12.9@3906.64,3425.06 U12.2@3906.64,3457.94 3906.64,3471.54 3901.28,3476.9 3901.28,3533.51 3938.94,3571.18 3938.94,3624.55 4010.2,3695.81 J5.3@4032.04,3695.81
SCLK6_N: J6.6 U14.1 U14.10 U15.9 | length 915.8
  Bottom Layer w4.96: J6.6@3882.04,2828.61 3929.19,2781.46 4033.27,2781.46 4583.71,2781.46 4623.96,2741.22 4672.11,2741.22 U14.1@4672.11,2731.57 4672.7,2730.99 4672.7,2698.7 U15.9@4672.7,2651.94
SCLK6_P: J6.3 U14.2 U14.9 U15.10 | length 914.8
  Bottom Layer w4.96: J6.3@4032.04,2927.04 4017.84,2912.84 4017.84,2880.52 4029.55,2868.8 4029.55,2797.85 4036.98,2790.42 4587.43,2790.42 4627.67,2750.18 4678.11,2750.18 4691.8,2736.49 U14.2@4691.8,2731.57 U14.9@4691.8,2698.7 4691.8,2683.97 4698.29,2677.48 U15.10@4698.29,2651.94
SCLK7_N: J7.6 U15.13 U17.1 U17.10 | length 375.6
  Bottom Layer w4.96: J7.6@4655.75,2828.61 4655.75,2844.51 4694.33,2883.09 4707.09,2883.09 4715.75,2874.43 4715.75,2862.86 4707.39,2854.51 4704.77,2851.88 4704.77,2807.5 4732.81,2779.46 4762.58,2779.46 4782.97,2759.07 4782.97,2750.54 4777.61,2745.18 U17.1@4777.61,2731.57 U17.10@4777.61,2698.7 4777.2,2698.29 4777.2,2654.07 U15.13@4775.06,2651.94
SCLK7_P: J7.3 U15.14 U17.2 U17.9 | length 373.4
  Bottom Layer w4.96: U15.14@4800.65,2651.94 4800.65,2674.41 4797.22,2677.84 4797.22,2698.62 U17.9@4797.3,2698.7 U17.2@4797.3,2731.57 4797.3,2745.18 4791.93,2750.54 4791.93,2762.78 4766.29,2788.42 4736.52,2788.42 4713.73,2811.21 4713.73,2846.39 4794.37,2927.04 J7.3@4805.75,2927.04
SCLK8_N: J8.6 U16.16 U19.5 U19.6 | length 840.9
  Bottom Layer w4.96: J8.6@5429.46,2828.61 5441.12,2828.61 5526.83,2914.31 5526.83,2958.04 5548.55,2979.76 5580.61,2979.76 5581.48,2980.63 5723.48,2980.63 5755.17,2948.94 5755.17,2815.23 5692.44,2752.5 5602.04,2752.5 U19.5@5602.04,2741.59 U19.6@5602.04,2708.72 5602.04,2685.69 5599.54,2683.19 U16.16@5599.54,2652.91
SCLK8_P: J8.3 U16.15 U19.4 U19.7 | length 838.8
  Bottom Layer w4.96: U16.15@5573.95,2652.91 5573.95,2680.53 5582.35,2688.93 U19.7@5582.35,2708.72 U19.4@5582.35,2741.59 5582.35,2746.51 5597.31,2761.46 5688.73,2761.46 5746.21,2818.94 5746.21,2945.23 5720.64,2970.8 5552.26,2970.8 5535.79,2954.32 5535.79,2906.55 5559.23,2883.11 5592.92,2883.11 5613.45,2903.65 5613.45,2914.58 5601,2927.04 J8.3@5579.46,2927.04
SDATA1_N: J1.2 U2.16 U5.5 U5.6 | length 401.6
  Bottom Layer w4.96: J1.2@3832.43,4022.07 3816.87,4037.62 3793.34,4037.62 3783.51,4027.79 3783.51,3989.68 3797.17,3976.03 3863.69,3976.03 3873.17,3985.51 3873.17,4044.39 3861.04,4056.52 3861.04,4080.44 3855.68,4085.81 U5.5@3855.68,4099.41 U5.6@3855.68,4132.28 3855.52,4132.44 3855.52,4153.56 3861.27,4159.31 U2.16@3861.27,4180.58
SDATA1_P: J1.1 U2.15 U5.4 U5.7 | length 408.6
  Bottom Layer w4.96: J1.1@3782.43,3923.64 3754.79,3923.64 3754.79,3955.71 3766.04,3966.96 3867.3,3966.96 3882.13,3981.79 3882.13,4048.11 3879.5,4050.73 3870,4060.23 3870,4080.44 3875.36,4085.81 U5.4@3875.36,4099.41 U5.7@3875.36,4132.28 3876.46,4133.38 3876.46,4150.04 3886.86,4160.44 U2.15@3886.86,4180.58
SDATA2_N: J2.2 U2.9 U4.1 U4.10 | length 700.5
  Bottom Layer w4.96: U2.9@4040.41,4180.58 4040.41,4160.48 4048.89,4152 U4.10@4048.89,4132.28 U4.1@4048.89,4099.41 4059.2,4089.1 4151.65,4089.1 4250.74,3990.01 4510.29,3990.01 4542.35,4022.07 J2.2@4606.14,4022.07
SDATA2_P: J2.1 U2.10 U4.2 U4.9 | length 703
  Bottom Layer w4.96: U2.10@4014.81,4180.58 4014.81,4162.62 4029.2,4148.23 U4.9@4029.2,4132.28 U4.2@4029.2,4099.41 4029.2,4085.79 4034.86,4080.14 4147.94,4080.14 4247.03,3981.05 4512.69,3981.05 4556.14,3937.59 J2.1@4556.14,3923.64